# Altium PCB UZ_A_MAX11331_Daughter.PcbDoc (part 1 of 7)
Units mil, origin at the board's own origin, x right, y up, seen from the top; angles counter-clockwise.
Board outline 6811.03 x 3937.01 mil, 6 copper layers (Top Layer, GND, Signal 1, Signal 2, VCC, Bottom Layer), stack 32.112 mil thick; 537 components, 329 nets, 1705 pads, 572 vias.
Unrouted connection lines stored in the file: 272.
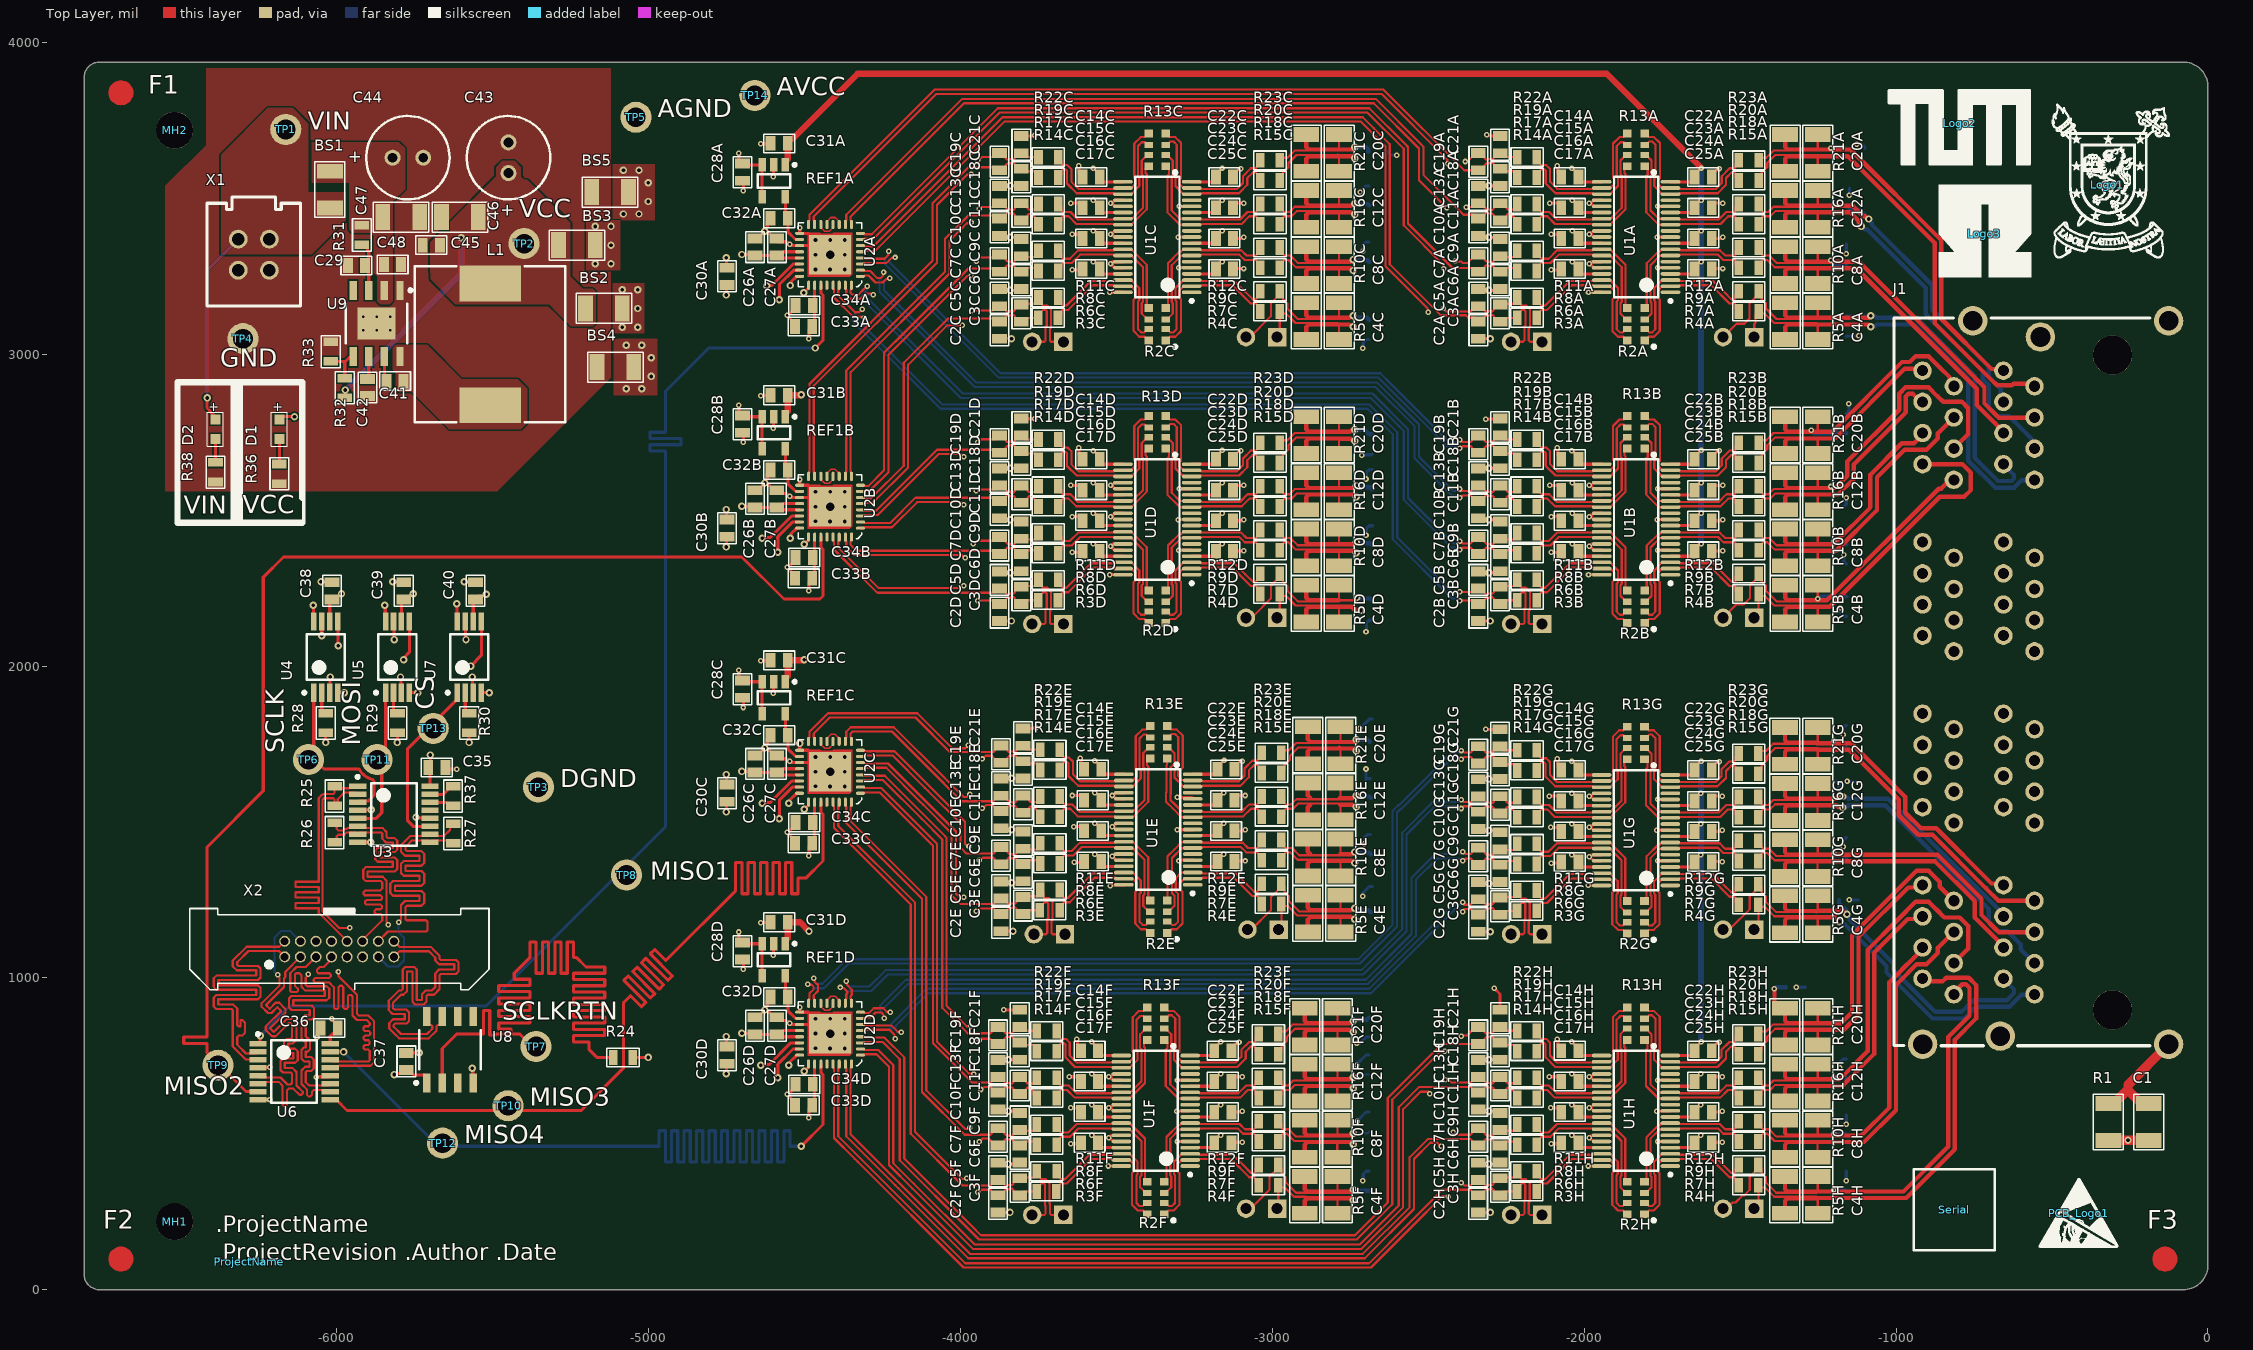
[diagram p0: Top Layer view]
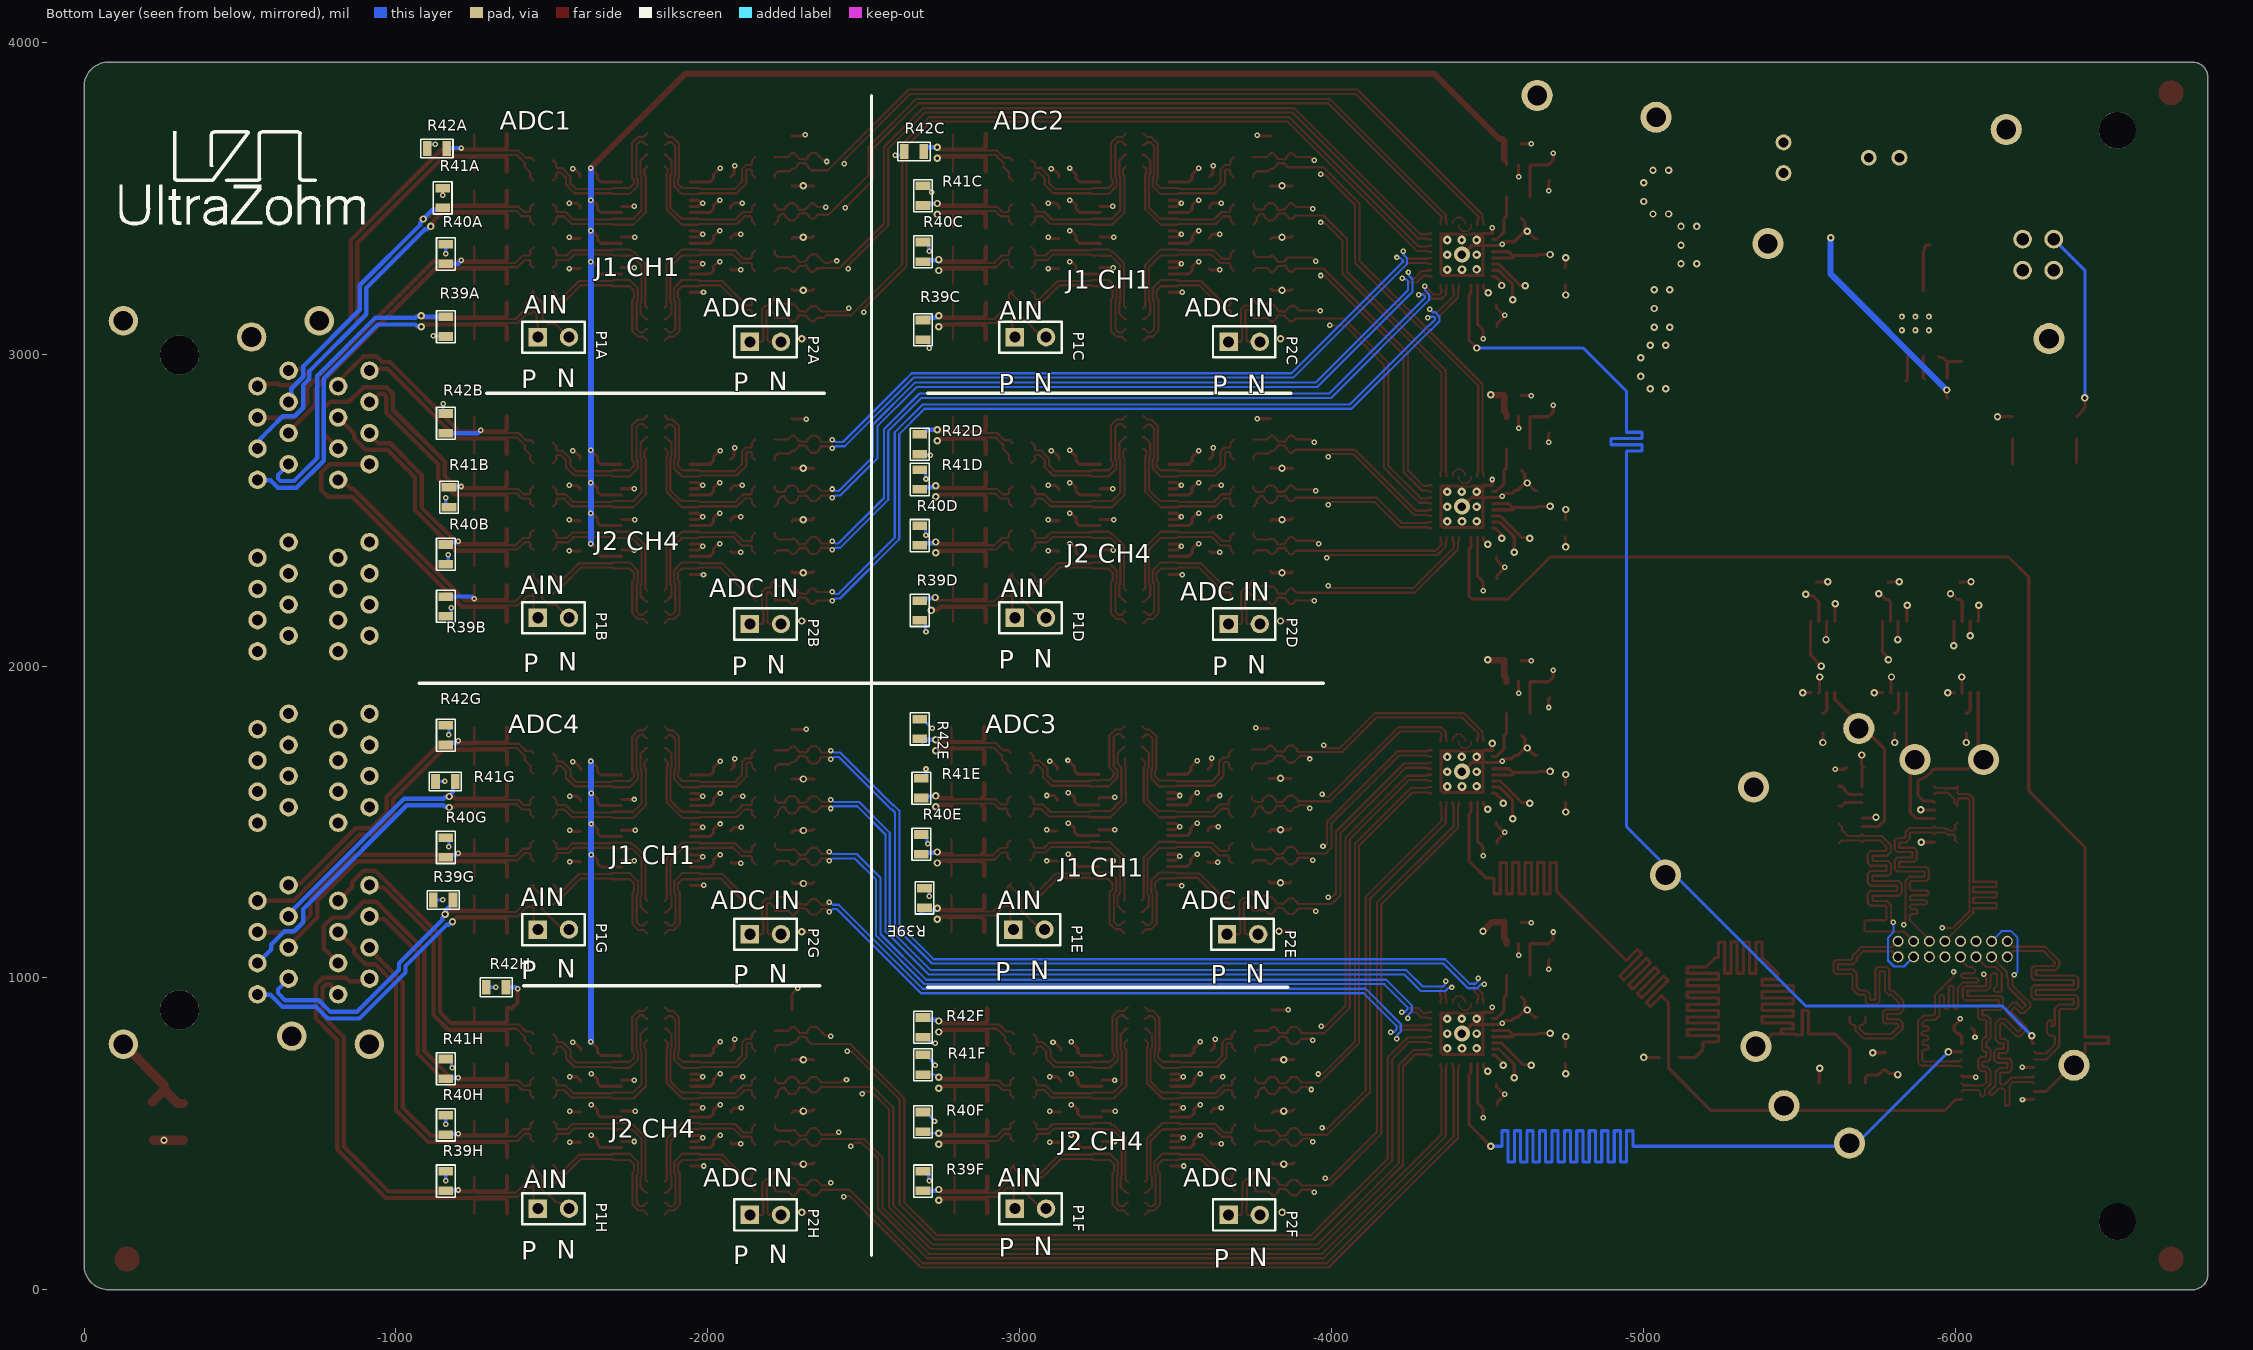
[diagram p1: Bottom Layer view, seen from below]
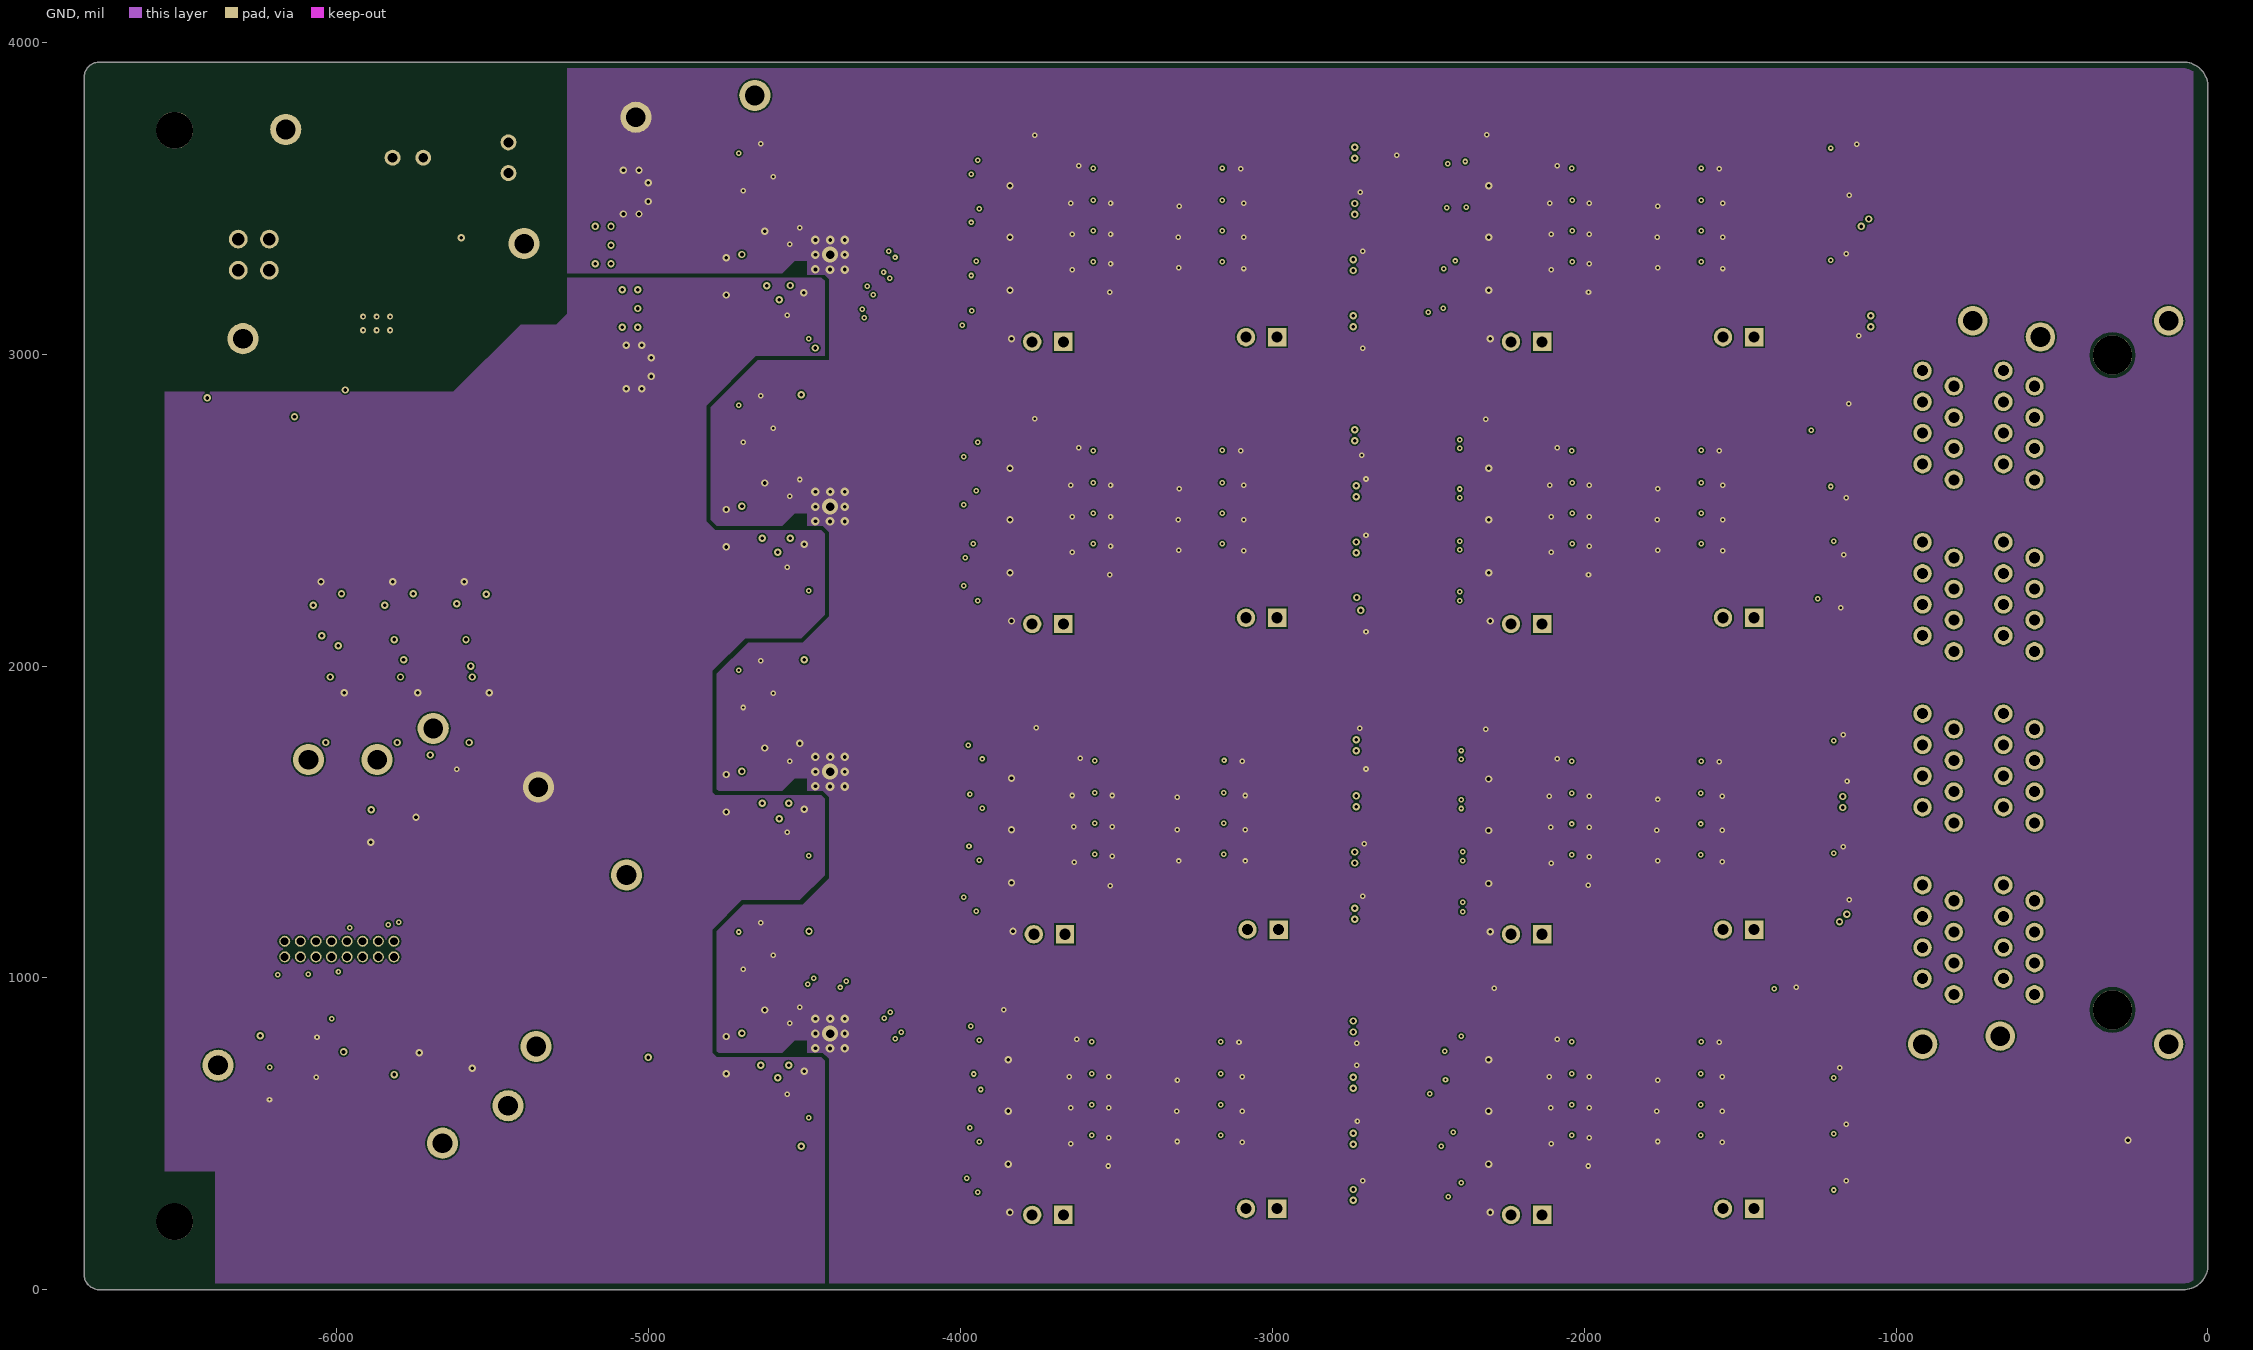
[diagram p2: GND]
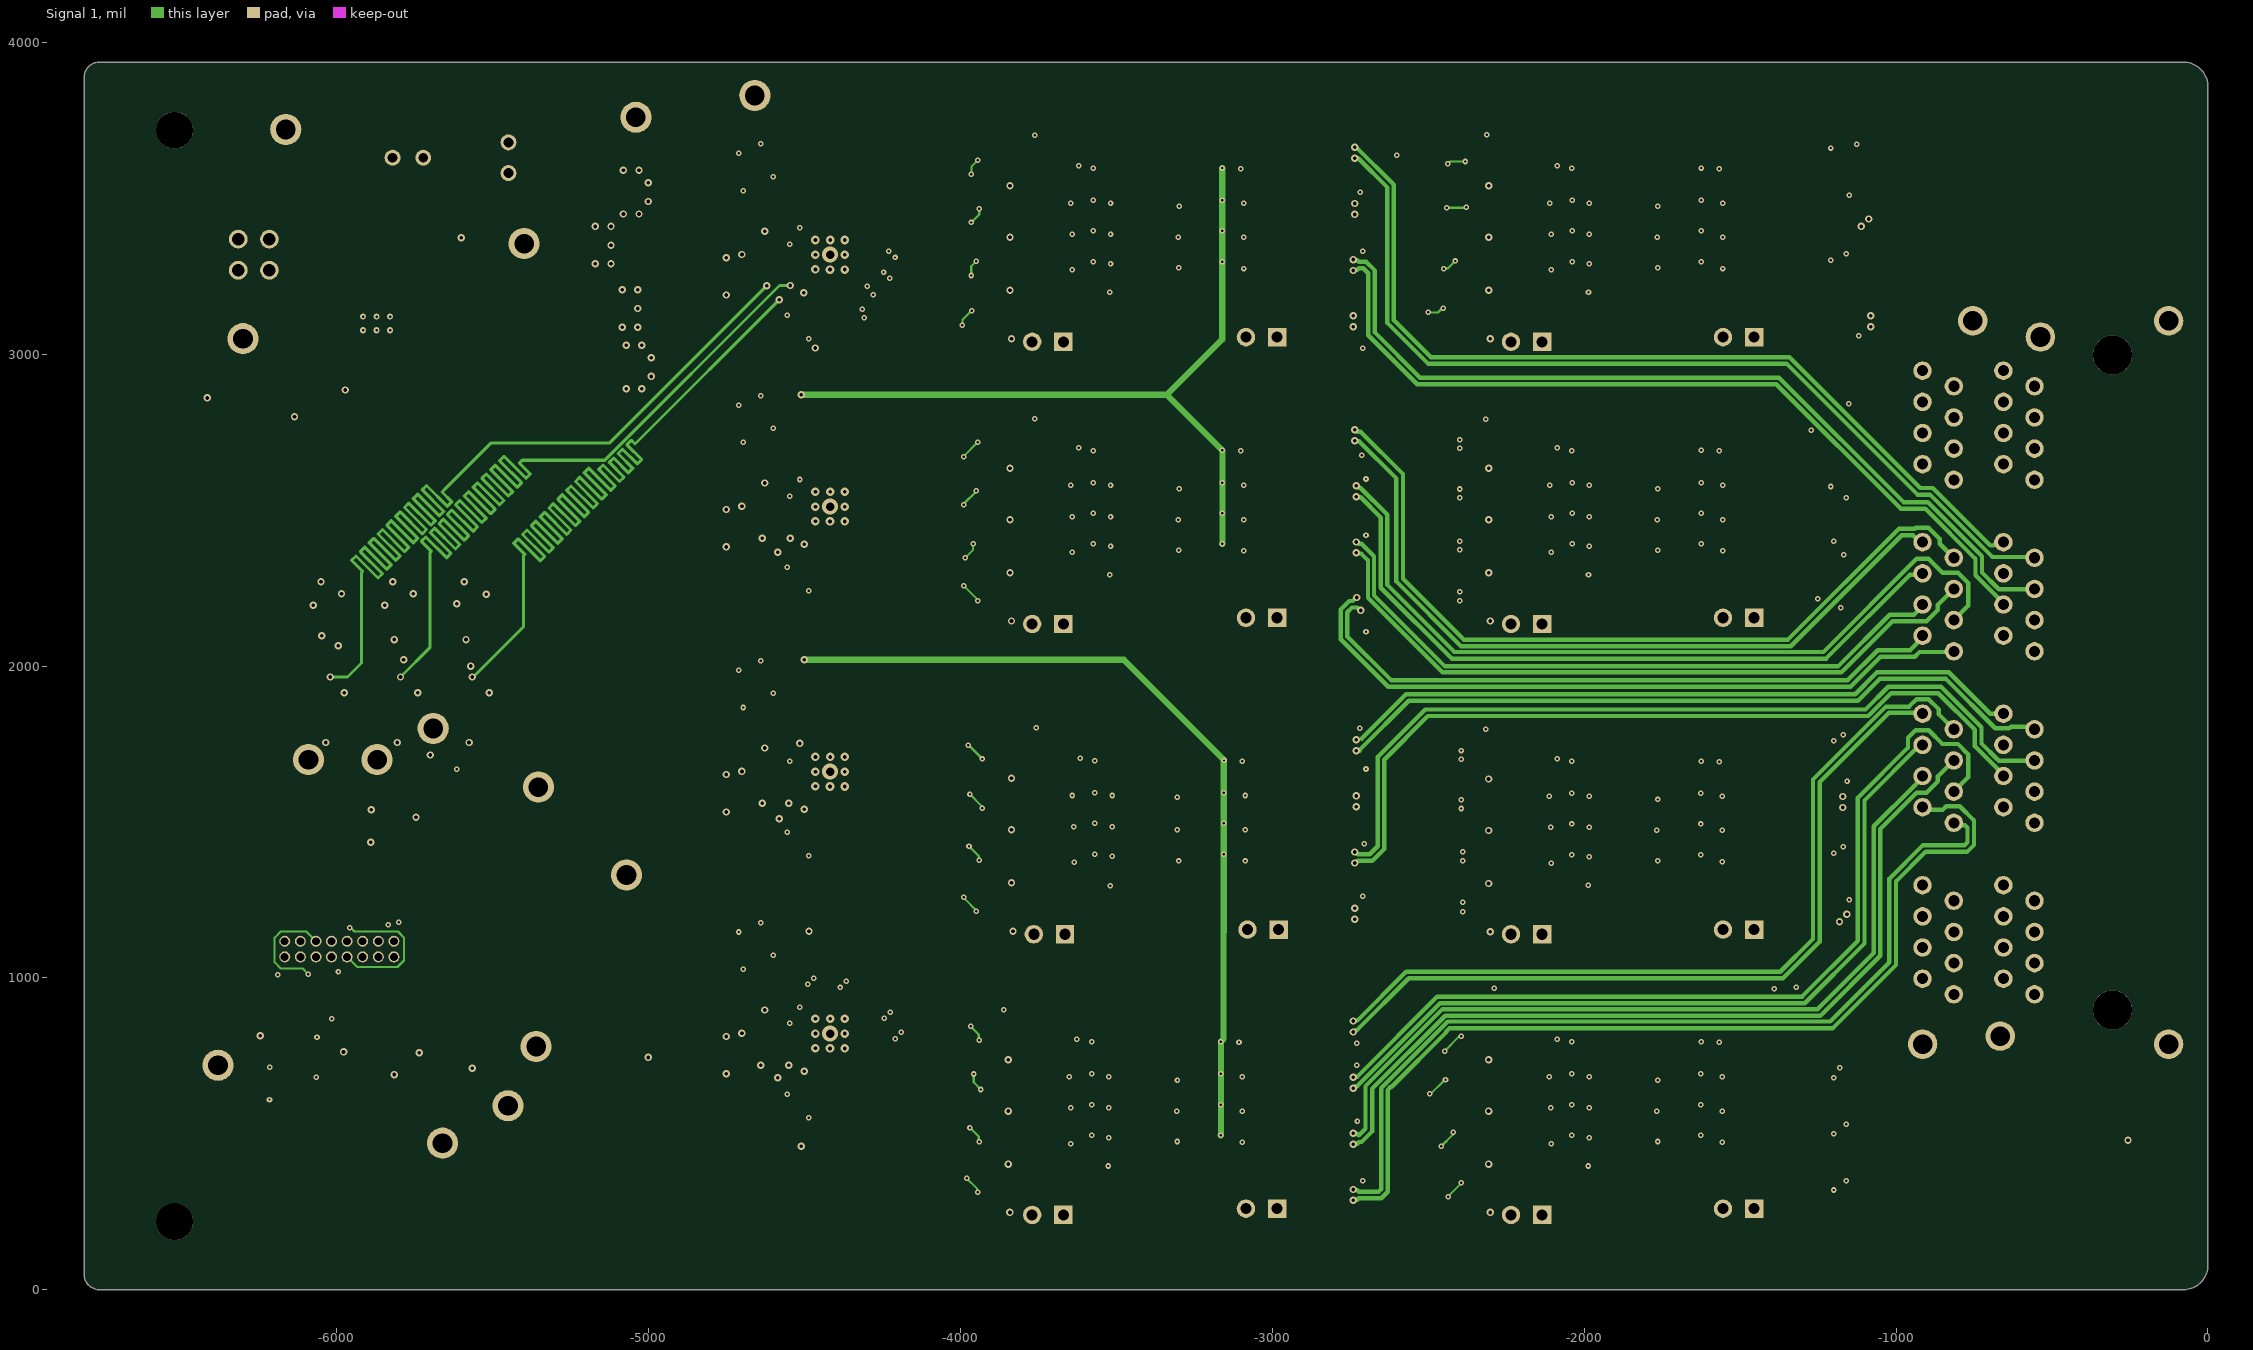
[diagram p3: Signal 1]